# Altium PCB top_INA2180.PcbDoc (part 4 of 5) (continued)
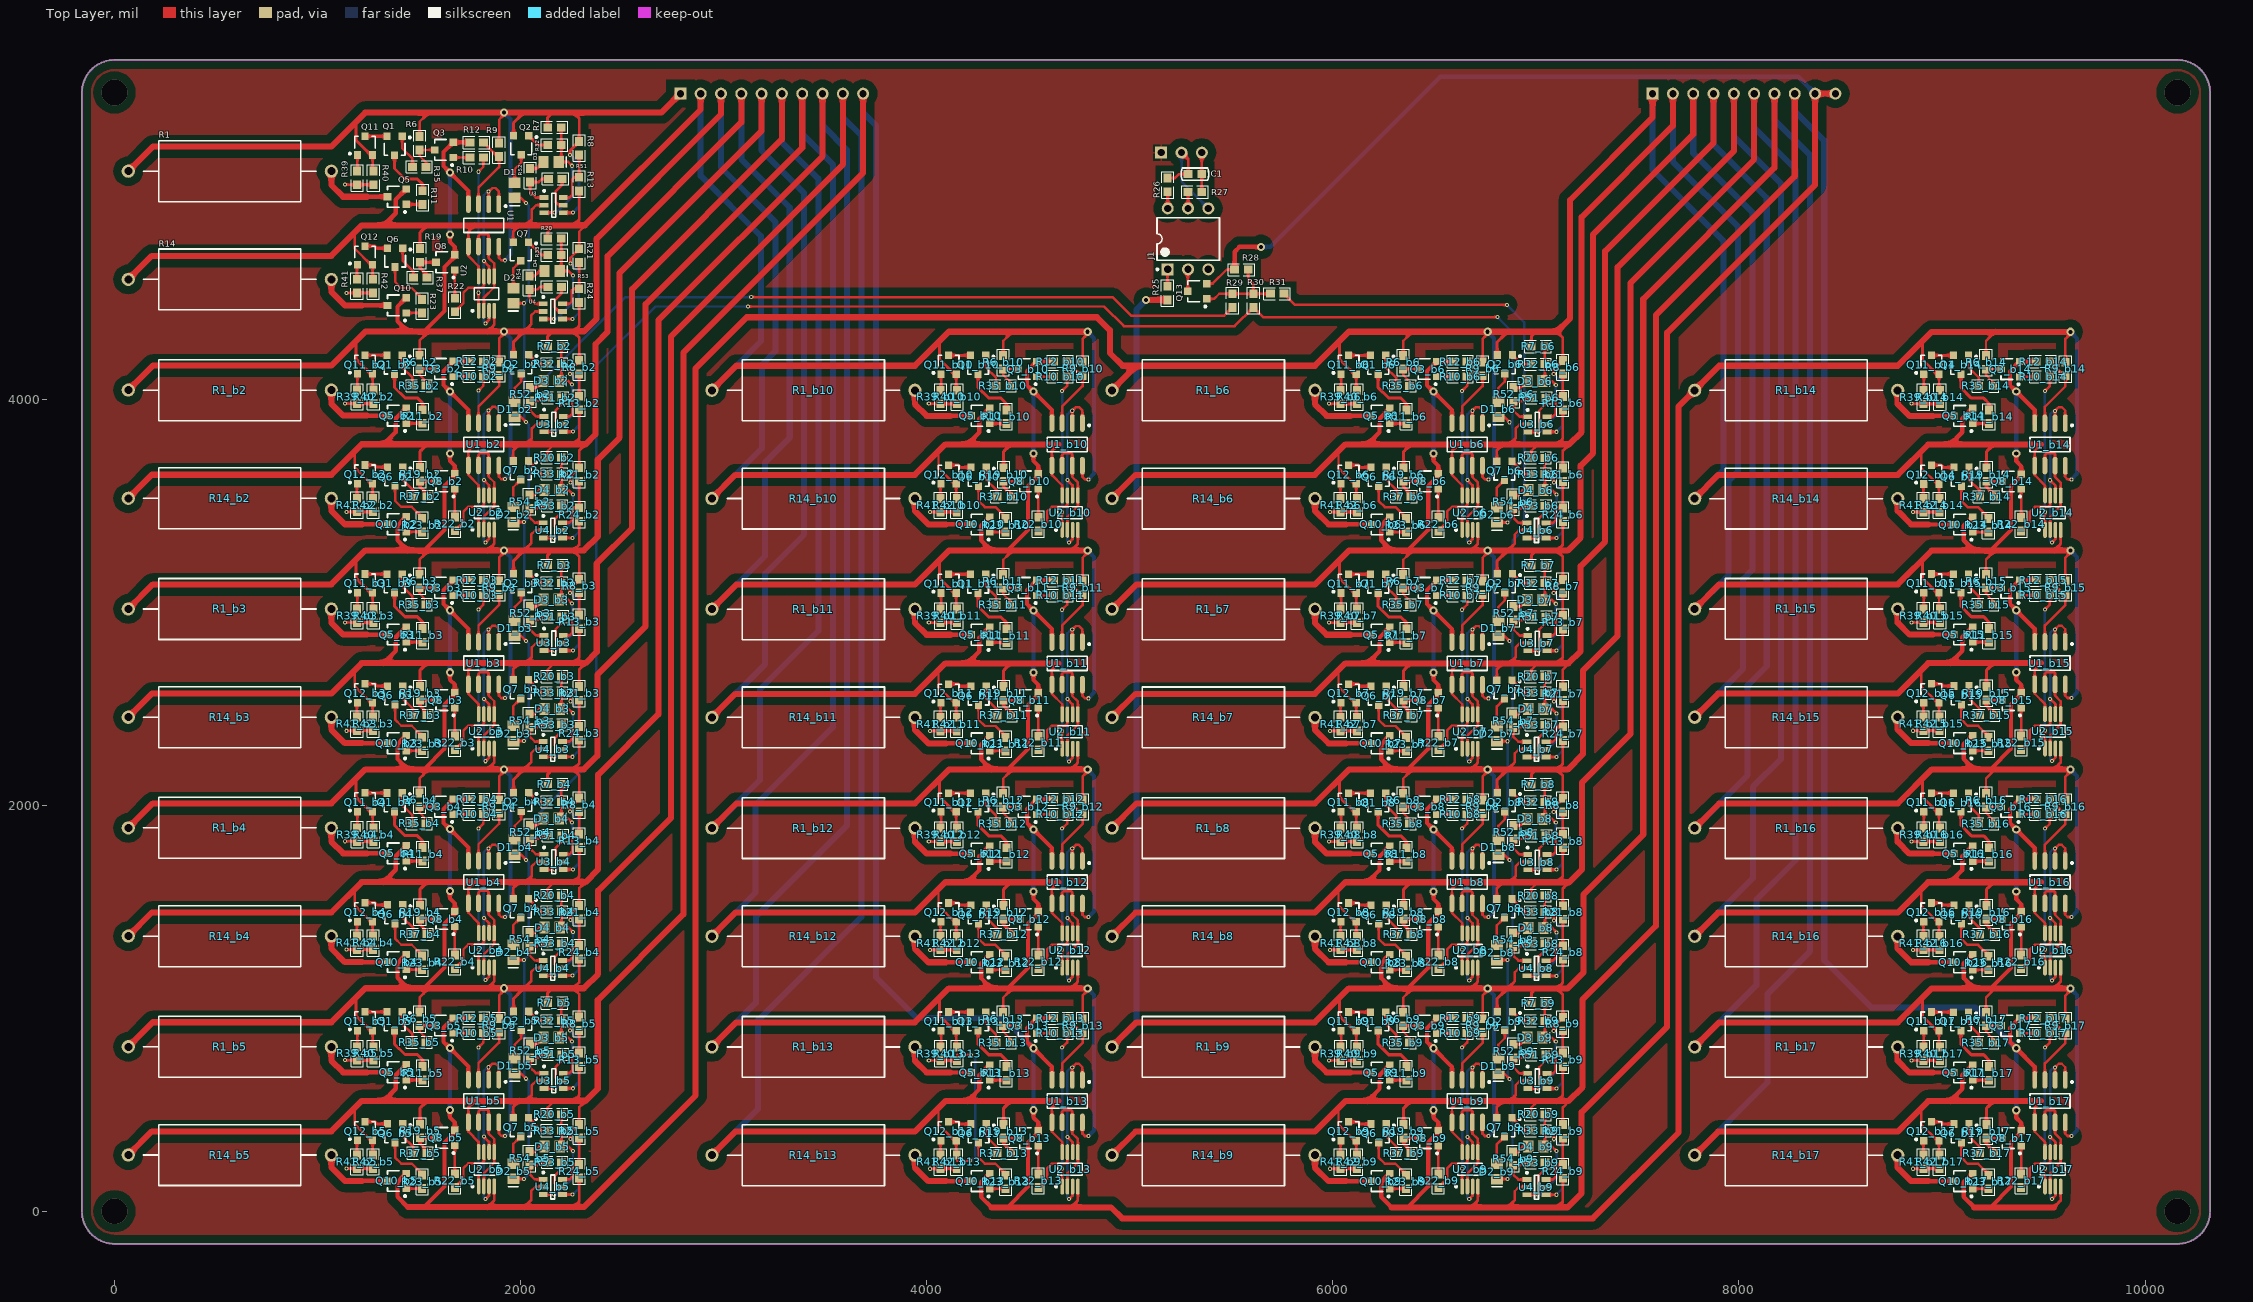
[diagram p0: Top Layer view]
## Nets (pads, with @x,y where several pads share a name; then routed paths per layer and width w, separated by ;. In a path a pad name is that pad's centre, name@x,y a point inside that pad or via, vN(x,y) a via of type N, cw(c..) or ccw(c..) an arc to the next point about the centre after c; other vN are vias at no path point) (continued)
NetQ3_b14_1: Q3_b14.1 R10_b14.1 | length 80.9
  Top Layer w12: Q3_b14.1@9382.98,4110.35 R10_b14.1@9463.86,4110.35
NetQ3_b14_3: Q3_b14.3 R6_b14.1 R35_b14.1 | length 169
  Top Layer w10: R35_b14.1@9248.32,4064.81 9248.32,4086.35 9217.26,4117.41 9217.26,4147.75 Q3_b14.3@9290.46,4147.75
NetQ3_b15_1: Q3_b15.1 R10_b15.1 | length 80.9
  Top Layer w12: Q3_b15.1@9382.98,3033.61 R10_b15.1@9463.86,3033.61
NetQ3_b15_3: Q3_b15.3 R6_b15.1 R35_b15.1 | length 169
  Top Layer w10: R35_b15.1@9248.32,2988.07 9248.32,3009.61 9217.26,3040.67 9217.26,3071.01 Q3_b15.3@9290.46,3071.01
NetQ3_b16_1: Q3_b16.1 R10_b16.1 | length 80.9
  Top Layer w12: Q3_b16.1@9382.98,1954.61 R10_b16.1@9463.86,1954.61
NetQ3_b16_3: Q3_b16.3 R6_b16.1 R35_b16.1 | length 169
  Top Layer w10: R35_b16.1@9248.32,1909.07 9248.32,1930.61 9217.26,1961.67 9217.26,1992.01 Q3_b16.3@9290.46,1992.01
NetQ3_b17_1: Q3_b17.1 R10_b17.1 | length 80.9
  Top Layer w12: Q3_b17.1@9382.98,876.61 R10_b17.1@9463.86,876.61
NetQ3_b17_3: Q3_b17.3 R6_b17.1 R35_b17.1 | length 169
  Top Layer w10: R35_b17.1@9248.32,831.07 9248.32,852.61 9217.26,883.67 9217.26,914.01 Q3_b17.3@9290.46,914.01
NetQ5_1: Q5.1 R11.1 | length 80.5
  Top Layer w15: Q5.1@1437.46,4958.87 R11.1@1517.99,4958.87
NetQ5_3: Q5.3 R1.1 | length 368.5
  Top Layer w22: 1242.72,4996.61 Q5.3@1344.6,4996.61
  Top Layer w30: R1.1@1067.99,5122.33 1067.99,5054.33 1125.72,4996.61 1242.72,4996.61
NetQ5_b2_1: Q5_b2.1 R11_b2.1 | length 80.5
  Top Layer w15: Q5_b2.1@1437.46,3880.8 R11_b2.1@1518,3880.8
NetQ5_b2_3: Q5_b2.3 R1_b2.1 | length 368.5
  Top Layer w22: 1242.72,3918.54 Q5_b2.3@1344.61,3918.53
  Top Layer w30: R1_b2.1@1068,4044.26 1068,3976.26 1125.72,3918.54 1242.72,3918.54
NetQ5_b3_1: Q5_b3.1 R11_b3.1 | length 80.5
  Top Layer w15: Q5_b3.1@1437.46,2802.8 R11_b3.1@1518,2802.8
NetQ5_b3_3: Q5_b3.3 R1_b3.1 | length 368.5
  Top Layer w22: 1242.72,2840.54 Q5_b3.3@1344.61,2840.54
  Top Layer w30: R1_b3.1@1068,2966.26 1068,2898.26 1125.72,2840.54 1242.72,2840.54
NetQ5_b4_1: Q5_b4.1 R11_b4.1 | length 80.5
  Top Layer w15: Q5_b4.1@1437.46,1724.8 R11_b4.1@1518,1724.8
NetQ5_b4_3: Q5_b4.3 R1_b4.1 | length 368.5
  Top Layer w22: 1242.72,1762.54 Q5_b4.3@1344.61,1762.54
  Top Layer w30: R1_b4.1@1068,1888.26 1068,1820.26 1125.72,1762.54 1242.72,1762.54
NetQ5_b5_1: Q5_b5.1 R11_b5.1 | length 80.5
  Top Layer w15: Q5_b5.1@1437.46,646.8 R11_b5.1@1518,646.8
NetQ5_b5_3: Q5_b5.3 R1_b5.1 | length 368.5
  Top Layer w22: 1242.72,684.54 Q5_b5.3@1344.61,684.54
  Top Layer w30: R1_b5.1@1068,810.26 1068,742.26 1125.72,684.54 1242.72,684.54
NetQ5_b6_1: Q5_b6.1 R11_b6.1 | length 80.5
  Top Layer w15: Q5_b6.1@6281.46,3879.87 R11_b6.1@6361.99,3879.87
NetQ5_b6_3: Q5_b6.3 R1_b6.1 | length 368.5
  Top Layer w22: 6086.72,3917.61 Q5_b6.3@6188.6,3917.61
  Top Layer w30: R1_b6.1@5911.99,4043.33 5911.99,3975.33 5969.72,3917.61 6086.72,3917.61
NetQ5_b7_1: Q5_b7.1 R11_b7.1 | length 80.5
  Top Layer w15: Q5_b7.1@6281.46,2801.87 R11_b7.1@6361.99,2801.87
NetQ5_b7_3: Q5_b7.3 R1_b7.1 | length 368.5
  Top Layer w22: 6086.72,2839.61 Q5_b7.3@6188.6,2839.61
  Top Layer w30: R1_b7.1@5911.99,2965.33 5911.99,2897.33 5969.72,2839.61 6086.72,2839.61
NetQ5_b8_1: Q5_b8.1 R11_b8.1 | length 80.5
  Top Layer w15: Q5_b8.1@6281.46,1723.87 R11_b8.1@6361.99,1723.87
NetQ5_b8_3: Q5_b8.3 R1_b8.1 | length 368.5
  Top Layer w22: 6086.72,1761.61 Q5_b8.3@6188.6,1761.61
  Top Layer w30: R1_b8.1@5911.99,1887.33 5911.99,1819.33 5969.72,1761.61 6086.72,1761.61
NetQ5_b9_1: Q5_b9.1 R11_b9.1 | length 80.5
  Top Layer w15: Q5_b9.1@6281.46,645.87 R11_b9.1@6361.99,645.87
NetQ5_b9_3: Q5_b9.3 R1_b9.1 | length 368.5
  Top Layer w22: 6086.72,683.61 Q5_b9.3@6188.6,683.61
  Top Layer w30: R1_b9.1@5911.99,809.33 5911.99,741.33 5969.72,683.61 6086.72,683.61
NetQ5_b10_1: Q5_b10.1 R11_b10.1 | length 80.5
  Top Layer w15: Q5_b10.1@4311.46,3879.87 R11_b10.1@4391.99,3879.87
NetQ5_b10_3: Q5_b10.3 R1_b10.1 | length 368.5
  Top Layer w22: 4116.72,3917.61 Q5_b10.3@4218.6,3917.61
  Top Layer w30: R1_b10.1@3941.99,4043.33 3941.99,3975.33 3999.72,3917.61 4116.72,3917.61
NetQ5_b11_1: Q5_b11.1 R11_b11.1 | length 80.5
  Top Layer w15: Q5_b11.1@4311.46,2801.87 R11_b11.1@4391.99,2801.87
NetQ5_b11_3: Q5_b11.3 R1_b11.1 | length 368.5
  Top Layer w22: 4116.72,2839.61 Q5_b11.3@4218.6,2839.61
  Top Layer w30: R1_b11.1@3941.99,2965.33 3941.99,2897.33 3999.72,2839.61 4116.72,2839.61
NetQ5_b12_1: Q5_b12.1 R11_b12.1 | length 80.5
  Top Layer w15: Q5_b12.1@4311.46,1723.87 R11_b12.1@4391.99,1723.87
NetQ5_b12_3: Q5_b12.3 R1_b12.1 | length 368.5
  Top Layer w22: 4116.72,1761.61 Q5_b12.3@4218.6,1761.61
  Top Layer w30: R1_b12.1@3941.99,1887.33 3941.99,1819.33 3999.72,1761.61 4116.72,1761.61
NetQ5_b13_1: Q5_b13.1 R11_b13.1 | length 80.5
  Top Layer w15: Q5_b13.1@4311.46,645.87 R11_b13.1@4391.99,645.87
NetQ5_b13_3: Q5_b13.3 R1_b13.1 | length 368.5
  Top Layer w22: 4116.72,683.61 Q5_b13.3@4218.6,683.61
  Top Layer w30: R1_b13.1@3941.99,809.33 3941.99,741.33 3999.72,683.61 4116.72,683.61
NetQ5_b14_1: Q5_b14.1 R11_b14.1 | length 80.5
  Top Layer w15: Q5_b14.1@9151.46,3879.61 R11_b14.1@9231.99,3879.61
NetQ5_b14_3: Q5_b14.3 R1_b14.1 | length 368.5
  Top Layer w22: 8956.72,3917.35 Q5_b14.3@9058.6,3917.35
  Top Layer w30: R1_b14.1@8781.99,4043.07 8781.99,3975.07 8839.72,3917.35 8956.72,3917.35
NetQ5_b15_1: Q5_b15.1 R11_b15.1 | length 80.5
  Top Layer w15: Q5_b15.1@9151.46,2802.87 R11_b15.1@9231.99,2802.87
NetQ5_b15_3: Q5_b15.3 R1_b15.1 | length 368.5
  Top Layer w22: 8956.72,2840.61 Q5_b15.3@9058.6,2840.61
  Top Layer w30: R1_b15.1@8781.99,2966.33 8781.99,2898.33 8839.72,2840.61 8956.72,2840.61
NetQ5_b16_1: Q5_b16.1 R11_b16.1 | length 80.5
  Top Layer w15: Q5_b16.1@9151.46,1723.87 R11_b16.1@9231.99,1723.87
NetQ5_b16_3: Q5_b16.3 R1_b16.1 | length 368.5
  Top Layer w22: 8956.72,1761.61 Q5_b16.3@9058.6,1761.61
  Top Layer w30: R1_b16.1@8781.99,1887.33 8781.99,1819.33 8839.72,1761.61 8956.72,1761.61
NetQ5_b17_1: Q5_b17.1 R11_b17.1 | length 80.5
  Top Layer w15: Q5_b17.1@9151.46,645.87 R11_b17.1@9231.99,645.87
NetQ5_b17_3: Q5_b17.3 R1_b17.1 | length 368.5
  Top Layer w22: 8956.72,683.61 Q5_b17.3@9058.6,683.61
  Top Layer w30: R1_b17.1@8781.99,809.33 8781.99,741.33 8839.72,683.61 8956.72,683.61
NetQ6_1: Q6.1 R37.2 | length 165.8
  Top Layer w12: Q6.1@1419.26,4742.87 1419.26,4681.67 1472.39,4628.54 R37.2@1472.39,4599.07
NetQ6_2: Q6.2 Q12.3 | length 114.9
  Top Layer w15: Q12.3@1233.99,4753.59 1281.73,4753.59 1292.46,4742.87 Q6.2@1344.46,4742.87
NetQ6_3: Q6.3 R23.2 | length 244.9
  Top Layer w12: Q6.3@1381.86,4650.35 1381.86,4577.61 1412.39,4547.07 1464.24,4547.07 1515.24,4496.07 R23.2@1515.24,4491.07
NetQ6_b2_1: Q6_b2.1 R37_b2.2 | length 165.8
  Top Layer w12: Q6_b2.1@1419.27,3664.8 1419.27,3603.6 1472.4,3550.46 R37_b2.2@1472.4,3521
NetQ6_b2_2: Q6_b2.2 Q12_b2.3 | length 114.9
  Top Layer w15: Q12_b2.3@1234,3675.52 1281.74,3675.52 1292.46,3664.8 Q6_b2.2@1344.46,3664.8
NetQ6_b2_3: Q6_b2.3 R23_b2.2 | length 244.9
  Top Layer w12: Q6_b2.3@1381.87,3572.28 1381.87,3499.54 1412.4,3469 1464.25,3469 1515.25,3418 R23_b2.2@1515.25,3413
NetQ6_b3_1: Q6_b3.1 R37_b3.2 | length 165.8
  Top Layer w12: Q6_b3.1@1419.27,2586.8 1419.27,2525.6 1472.4,2472.46 R37_b3.2@1472.4,2443
NetQ6_b3_2: Q6_b3.2 Q12_b3.3 | length 114.9
  Top Layer w15: Q12_b3.3@1234,2597.52 1281.74,2597.52 1292.46,2586.8 Q6_b3.2@1344.46,2586.8
NetQ6_b3_3: Q6_b3.3 R23_b3.2 | length 244.9
  Top Layer w12: Q6_b3.3@1381.87,2494.28 1381.87,2421.54 1412.4,2391 1464.25,2391 1515.25,2340 R23_b3.2@1515.25,2335
NetQ6_b4_1: Q6_b4.1 R37_b4.2 | length 165.8
  Top Layer w12: Q6_b4.1@1419.27,1508.8 1419.27,1447.6 1472.4,1394.46 R37_b4.2@1472.4,1365
NetQ6_b4_2: Q6_b4.2 Q12_b4.3 | length 114.9
  Top Layer w15: Q12_b4.3@1234,1519.52 1281.74,1519.52 1292.46,1508.8 Q6_b4.2@1344.46,1508.8
NetQ6_b4_3: Q6_b4.3 R23_b4.2 | length 244.9
  Top Layer w12: Q6_b4.3@1381.87,1416.28 1381.87,1343.54 1412.4,1313 1464.25,1313 1515.25,1262 R23_b4.2@1515.25,1257
NetQ6_b5_1: Q6_b5.1 R37_b5.2 | length 165.8
  Top Layer w12: Q6_b5.1@1419.27,430.8 1419.27,369.6 1472.4,316.46 R37_b5.2@1472.4,287
NetQ6_b5_2: Q6_b5.2 Q12_b5.3 | length 114.9
  Top Layer w15: Q12_b5.3@1234,441.52 1281.74,441.52 1292.46,430.8 Q6_b5.2@1344.46,430.8
NetQ6_b5_3: Q6_b5.3 R23_b5.2 | length 244.9
  Top Layer w12: Q6_b5.3@1381.87,338.28 1381.87,265.54 1412.4,235 1464.25,235 1515.25,184 R23_b5.2@1515.25,179
NetQ6_b6_1: Q6_b6.1 R37_b6.2 | length 165.8
  Top Layer w12: Q6_b6.1@6263.26,3663.87 6263.26,3602.67 6316.39,3549.54 R37_b6.2@6316.39,3520.07
NetQ6_b6_2: Q6_b6.2 Q12_b6.3 | length 114.9
  Top Layer w15: Q12_b6.3@6077.99,3674.59 6125.73,3674.59 6136.46,3663.87 Q6_b6.2@6188.46,3663.87
NetQ6_b6_3: Q6_b6.3 R23_b6.2 | length 244.9
  Top Layer w12: Q6_b6.3@6225.86,3571.35 6225.86,3498.61 6256.39,3468.07 6308.24,3468.07 6359.24,3417.07 R23_b6.2@6359.24,3412.07
NetQ6_b7_1: Q6_b7.1 R37_b7.2 | length 165.8
  Top Layer w12: Q6_b7.1@6263.26,2585.87 6263.26,2524.67 6316.39,2471.54 R37_b7.2@6316.39,2442.07
NetQ6_b7_2: Q6_b7.2 Q12_b7.3 | length 114.9
  Top Layer w15: Q12_b7.3@6077.99,2596.59 6125.73,2596.59 6136.46,2585.87 Q6_b7.2@6188.46,2585.87
NetQ6_b7_3: Q6_b7.3 R23_b7.2 | length 244.9
  Top Layer w12: Q6_b7.3@6225.86,2493.35 6225.86,2420.61 6256.39,2390.07 6308.24,2390.07 6359.24,2339.07 R23_b7.2@6359.24,2334.07
NetQ6_b8_1: Q6_b8.1 R37_b8.2 | length 165.8
  Top Layer w12: Q6_b8.1@6263.26,1507.87 6263.26,1446.67 6316.39,1393.54 R37_b8.2@6316.39,1364.07
NetQ6_b8_2: Q6_b8.2 Q12_b8.3 | length 114.9
  Top Layer w15: Q12_b8.3@6077.99,1518.59 6125.73,1518.59 6136.46,1507.87 Q6_b8.2@6188.46,1507.87
NetQ6_b8_3: Q6_b8.3 R23_b8.2 | length 244.9
  Top Layer w12: Q6_b8.3@6225.86,1415.35 6225.86,1342.61 6256.39,1312.07 6308.24,1312.07 6359.24,1261.07 R23_b8.2@6359.24,1256.07
NetQ6_b9_1: Q6_b9.1 R37_b9.2 | length 165.8
  Top Layer w12: Q6_b9.1@6263.26,429.87 6263.26,368.67 6316.39,315.54 R37_b9.2@6316.39,286.07
NetQ6_b9_2: Q6_b9.2 Q12_b9.3 | length 114.9
  Top Layer w15: Q12_b9.3@6077.99,440.59 6125.73,440.59 6136.46,429.87 Q6_b9.2@6188.46,429.87
NetQ6_b9_3: Q6_b9.3 R23_b9.2 | length 244.9
  Top Layer w12: Q6_b9.3@6225.86,337.35 6225.86,264.61 6256.39,234.07 6308.24,234.07 6359.24,183.07 R23_b9.2@6359.24,178.07
NetQ6_b10_1: Q6_b10.1 R37_b10.2 | length 165.8
  Top Layer w12: Q6_b10.1@4293.26,3663.87 4293.26,3602.67 4346.39,3549.54 R37_b10.2@4346.39,3520.07
NetQ6_b10_2: Q6_b10.2 Q12_b10.3 | length 114.9
  Top Layer w15: Q12_b10.3@4107.99,3674.59 4155.73,3674.59 4166.46,3663.87 Q6_b10.2@4218.46,3663.87
NetQ6_b10_3: Q6_b10.3 R23_b10.2 | length 244.9
  Top Layer w12: Q6_b10.3@4255.86,3571.35 4255.86,3498.61 4286.39,3468.07 4338.24,3468.07 4389.24,3417.07 R23_b10.2@4389.24,3412.07
NetQ6_b11_1: Q6_b11.1 R37_b11.2 | length 165.8
  Top Layer w12: Q6_b11.1@4293.26,2585.87 4293.26,2524.67 4346.39,2471.54 R37_b11.2@4346.39,2442.07
NetQ6_b11_2: Q6_b11.2 Q12_b11.3 | length 114.9
  Top Layer w15: Q12_b11.3@4107.99,2596.59 4155.73,2596.59 4166.46,2585.87 Q6_b11.2@4218.46,2585.87
NetQ6_b11_3: Q6_b11.3 R23_b11.2 | length 244.9
  Top Layer w12: Q6_b11.3@4255.86,2493.35 4255.86,2420.61 4286.39,2390.07 4338.24,2390.07 4389.24,2339.07 R23_b11.2@4389.24,2334.07
NetQ6_b12_1: Q6_b12.1 R37_b12.2 | length 165.8
  Top Layer w12: Q6_b12.1@4293.26,1507.87 4293.26,1446.67 4346.39,1393.54 R37_b12.2@4346.39,1364.07
NetQ6_b12_2: Q6_b12.2 Q12_b12.3 | length 114.9
  Top Layer w15: Q12_b12.3@4107.99,1518.59 4155.73,1518.59 4166.46,1507.87 Q6_b12.2@4218.46,1507.87
NetQ6_b12_3: Q6_b12.3 R23_b12.2 | length 244.9
  Top Layer w12: Q6_b12.3@4255.86,1415.35 4255.86,1342.61 4286.39,1312.07 4338.24,1312.07 4389.24,1261.07 R23_b12.2@4389.24,1256.07
NetQ6_b13_1: Q6_b13.1 R37_b13.2 | length 165.8
  Top Layer w12: Q6_b13.1@4293.26,429.87 4293.26,368.67 4346.39,315.54 R37_b13.2@4346.39,286.07
NetQ6_b13_2: Q6_b13.2 Q12_b13.3 | length 114.9
  Top Layer w15: Q12_b13.3@4107.99,440.59 4155.73,440.59 4166.46,429.87 Q6_b13.2@4218.46,429.87
NetQ6_b13_3: Q6_b13.3 R23_b13.2 | length 244.9
  Top Layer w12: Q6_b13.3@4255.86,337.35 4255.86,264.61 4286.39,234.07 4338.24,234.07 4389.24,183.07 R23_b13.2@4389.24,178.07
NetQ6_b14_1: Q6_b14.1 R37_b14.2 | length 165.8
  Top Layer w12: Q6_b14.1@9133.26,3663.61 9133.26,3602.41 9186.39,3549.28 R37_b14.2@9186.39,3519.81
NetQ6_b14_2: Q6_b14.2 Q12_b14.3 | length 114.9
  Top Layer w15: Q12_b14.3@8947.99,3674.33 8995.73,3674.33 9006.46,3663.61 Q6_b14.2@9058.46,3663.61
NetQ6_b14_3: Q6_b14.3 R23_b14.2 | length 244.9
  Top Layer w12: Q6_b14.3@9095.86,3571.09 9095.86,3498.35 9126.39,3467.81 9178.24,3467.81 9229.24,3416.81 R23_b14.2@9229.24,3411.81
NetQ6_b15_1: Q6_b15.1 R37_b15.2 | length 165.8
  Top Layer w12: Q6_b15.1@9133.26,2586.87 9133.26,2525.67 9186.39,2472.54 R37_b15.2@9186.39,2443.07
NetQ6_b15_2: Q6_b15.2 Q12_b15.3 | length 114.9
  Top Layer w15: Q12_b15.3@8947.99,2597.59 8995.73,2597.59 9006.46,2586.87 Q6_b15.2@9058.46,2586.87
NetQ6_b15_3: Q6_b15.3 R23_b15.2 | length 244.9
  Top Layer w12: Q6_b15.3@9095.86,2494.35 9095.86,2421.61 9126.39,2391.07 9178.24,2391.07 9229.24,2340.07 R23_b15.2@9229.24,2335.07
NetQ6_b16_1: Q6_b16.1 R37_b16.2 | length 165.8
  Top Layer w12: Q6_b16.1@9133.26,1507.87 9133.26,1446.67 9186.39,1393.54 R37_b16.2@9186.39,1364.07
NetQ6_b16_2: Q6_b16.2 Q12_b16.3 | length 114.9
  Top Layer w15: Q12_b16.3@8947.99,1518.59 8995.73,1518.59 9006.46,1507.87 Q6_b16.2@9058.46,1507.87
NetQ6_b16_3: Q6_b16.3 R23_b16.2 | length 244.9
  Top Layer w12: Q6_b16.3@9095.86,1415.35 9095.86,1342.61 9126.39,1312.07 9178.24,1312.07 9229.24,1261.07 R23_b16.2@9229.24,1256.07
NetQ6_b17_1: Q6_b17.1 R37_b17.2 | length 165.8
  Top Layer w12: Q6_b17.1@9133.26,429.87 9133.26,368.67 9186.39,315.54 R37_b17.2@9186.39,286.07
NetQ6_b17_2: Q6_b17.2 Q12_b17.3 | length 114.9
  Top Layer w15: Q12_b17.3@8947.99,440.59 8995.73,440.59 9006.46,429.87 Q6_b17.2@9058.46,429.87
NetQ6_b17_3: Q6_b17.3 R23_b17.2 | length 244.9
  Top Layer w12: Q6_b17.3@9095.86,337.35 9095.86,264.61 9126.39,234.07 9178.24,234.07 9229.24,183.07 R23_b17.2@9229.24,178.07
NetQ7_1: Q7.1 R33.2 | length 121.3
  Top Layer w12: Q7.1@2038.4,4773.26 2101.66,4710 R33.2@2133.54,4710
NetQ7_b2_1: Q7_b2.1 R33_b2.2 | length 121.3
  Top Layer w12: Q7_b2.1@2038.41,3695.19 2101.67,3631.93 R33_b2.2@2133.54,3631.93
NetQ7_b3_1: Q7_b3.1 R33_b3.2 | length 121.3
  Top Layer w12: Q7_b3.1@2038.41,2617.19 2101.67,2553.93 R33_b3.2@2133.54,2553.93
NetQ7_b4_1: Q7_b4.1 R33_b4.2 | length 121.3
  Top Layer w12: Q7_b4.1@2038.41,1539.19 2101.67,1475.93 R33_b4.2@2133.54,1475.93
NetQ7_b5_1: Q7_b5.1 R33_b5.2 | length 121.3
  Top Layer w12: Q7_b5.1@2038.41,461.19 2101.67,397.93 R33_b5.2@2133.54,397.93
NetQ7_b6_1: Q7_b6.1 R33_b6.2 | length 121.3
  Top Layer w12: Q7_b6.1@6882.4,3694.26 6945.66,3631 R33_b6.2@6977.54,3631
NetQ7_b7_1: Q7_b7.1 R33_b7.2 | length 121.3
  Top Layer w12: Q7_b7.1@6882.4,2616.26 6945.66,2553 R33_b7.2@6977.54,2553
NetQ7_b8_1: Q7_b8.1 R33_b8.2 | length 121.3
  Top Layer w12: Q7_b8.1@6882.4,1538.26 6945.66,1475 R33_b8.2@6977.54,1475
NetQ7_b9_1: Q7_b9.1 R33_b9.2 | length 121.3
  Top Layer w12: Q7_b9.1@6882.4,460.26 6945.66,397 R33_b9.2@6977.54,397
NetQ7_b10_1: 
NetQ7_b11_1: 
NetQ7_b12_1: 
NetQ7_b13_1: 
NetQ7_b14_1: 
NetQ7_b15_1: 
NetQ7_b16_1: 
NetQ7_b17_1: 
NetQ8_1: Q8.1 R22.2 | length 139.2
  Top Layer w12: R22.2@1675.86,4497.07 1676.12,4497.33 Q8.1@1676.12,4636.21
NetQ8_3: Q8.3 R19.1 R37.1 | length 168.3
  Top Layer w15: R37.1@1539.32,4599.07 1539.32,4611.61 1504.86,4646.07 R19.1@1504.86,4674.14 1505.39,4673.61 Q8.3@1583.6,4673.61
NetQ8_b2_1: Q8_b2.1 R22_b2.2 | length 139.2
  Top Layer w12: R22_b2.2@1675.87,3419 1676.13,3419.26 Q8_b2.1@1676.13,3558.13
NetQ8_b2_3: Q8_b2.3 R19_b2.1 R37_b2.1 | length 168.3
  Top Layer w15: R37_b2.1@1539.33,3521 1539.33,3533.54 1504.87,3568 R19_b2.1@1504.87,3596.07 1505.4,3595.54 Q8_b2.3@1583.61,3595.53
NetQ8_b3_1: Q8_b3.1 R22_b3.2 | length 139.2
  Top Layer w12: R22_b3.2@1675.87,2341 1676.13,2341.26 Q8_b3.1@1676.13,2480.13
NetQ8_b3_3: Q8_b3.3 R19_b3.1 R37_b3.1 | length 168.3
  Top Layer w15: R37_b3.1@1539.33,2443 1539.33,2455.54 1504.87,2490 R19_b3.1@1504.87,2518.07 1505.4,2517.54 Q8_b3.3@1583.61,2517.54
NetQ8_b4_1: Q8_b4.1 R22_b4.2 | length 139.2
  Top Layer w12: R22_b4.2@1675.87,1263 1676.13,1263.26 Q8_b4.1@1676.13,1402.13
NetQ8_b4_3: Q8_b4.3 R19_b4.1 R37_b4.1 | length 168.3
  Top Layer w15: R37_b4.1@1539.33,1365 1539.33,1377.54 1504.87,1412 R19_b4.1@1504.87,1440.07 1505.4,1439.54 Q8_b4.3@1583.61,1439.54
NetQ8_b5_1: Q8_b5.1 R22_b5.2 | length 139.2
  Top Layer w12: R22_b5.2@1675.87,185 1676.13,185.26 Q8_b5.1@1676.13,324.13
NetQ8_b5_3: Q8_b5.3 R19_b5.1 R37_b5.1 | length 168.3
  Top Layer w15: R37_b5.1@1539.33,287 1539.33,299.54 1504.87,334 R19_b5.1@1504.87,362.07 1505.4,361.54 Q8_b5.3@1583.61,361.54
NetQ8_b6_1: Q8_b6.1 R22_b6.2 | length 139.2
  Top Layer w12: R22_b6.2@6519.86,3418.07 6520.12,3418.33 Q8_b6.1@6520.12,3557.21
NetQ8_b6_3: Q8_b6.3 R19_b6.1 R37_b6.1 | length 168.3
  Top Layer w15: R37_b6.1@6383.32,3520.07 6383.32,3532.61 6348.86,3567.07 R19_b6.1@6348.86,3595.14 6349.39,3594.61 Q8_b6.3@6427.6,3594.61
NetQ8_b7_1: Q8_b7.1 R22_b7.2 | length 139.2
  Top Layer w12: R22_b7.2@6519.86,2340.07 6520.12,2340.33 Q8_b7.1@6520.12,2479.21
NetQ8_b7_3: Q8_b7.3 R19_b7.1 R37_b7.1 | length 168.3
  Top Layer w15: R37_b7.1@6383.32,2442.07 6383.32,2454.61 6348.86,2489.07 R19_b7.1@6348.86,2517.14 6349.39,2516.61 Q8_b7.3@6427.6,2516.61
NetQ8_b8_1: Q8_b8.1 R22_b8.2 | length 139.2
  Top Layer w12: R22_b8.2@6519.86,1262.07 6520.12,1262.33 Q8_b8.1@6520.12,1401.21
NetQ8_b8_3: Q8_b8.3 R19_b8.1 R37_b8.1 | length 168.3
  Top Layer w15: R37_b8.1@6383.32,1364.07 6383.32,1376.61 6348.86,1411.07 R19_b8.1@6348.86,1439.14 6349.39,1438.61 Q8_b8.3@6427.6,1438.61
NetQ8_b9_1: Q8_b9.1 R22_b9.2 | length 139.2
  Top Layer w12: R22_b9.2@6519.86,184.07 6520.12,184.33 Q8_b9.1@6520.12,323.21
NetQ8_b9_3: Q8_b9.3 R19_b9.1 R37_b9.1 | length 168.3
  Top Layer w15: R37_b9.1@6383.32,286.07 6383.32,298.61 6348.86,333.07 R19_b9.1@6348.86,361.14 6349.39,360.61 Q8_b9.3@6427.6,360.61
NetQ8_b10_1: Q8_b10.1 R22_b10.2 | length 139.2
  Top Layer w12: R22_b10.2@4549.86,3418.07 4550.12,3418.33 Q8_b10.1@4550.12,3557.21
NetQ8_b10_3: Q8_b10.3 R19_b10.1 R37_b10.1 | length 168.3
  Top Layer w15: R37_b10.1@4413.32,3520.07 4413.32,3532.61 4378.86,3567.07 R19_b10.1@4378.86,3595.14 4379.39,3594.61 Q8_b10.3@4457.6,3594.61
NetQ8_b11_1: Q8_b11.1 R22_b11.2 | length 139.2
  Top Layer w12: R22_b11.2@4549.86,2340.07 4550.12,2340.33 Q8_b11.1@4550.12,2479.21
NetQ8_b11_3: Q8_b11.3 R19_b11.1 R37_b11.1 | length 168.3
  Top Layer w15: R37_b11.1@4413.32,2442.07 4413.32,2454.61 4378.86,2489.07 R19_b11.1@4378.86,2517.14 4379.39,2516.61 Q8_b11.3@4457.6,2516.61
NetQ8_b12_1: Q8_b12.1 R22_b12.2 | length 139.2
  Top Layer w12: R22_b12.2@4549.86,1262.07 4550.12,1262.33 Q8_b12.1@4550.12,1401.21
NetQ8_b12_3: Q8_b12.3 R19_b12.1 R37_b12.1 | length 168.3
  Top Layer w15: R37_b12.1@4413.32,1364.07 4413.32,1376.61 4378.86,1411.07 R19_b12.1@4378.86,1439.14 4379.39,1438.61 Q8_b12.3@4457.6,1438.61
NetQ8_b13_1: Q8_b13.1 R22_b13.2 | length 139.2
  Top Layer w12: R22_b13.2@4549.86,184.07 4550.12,184.33 Q8_b13.1@4550.12,323.21
NetQ8_b13_3: Q8_b13.3 R19_b13.1 R37_b13.1 | length 168.3
  Top Layer w15: R37_b13.1@4413.32,286.07 4413.32,298.61 4378.86,333.07 R19_b13.1@4378.86,361.14 4379.39,360.61 Q8_b13.3@4457.6,360.61
NetQ8_b14_1: Q8_b14.1 R22_b14.2 | length 139.2
  Top Layer w12: R22_b14.2@9389.86,3417.81 9390.12,3418.07 Q8_b14.1@9390.12,3556.95
NetQ8_b14_3: Q8_b14.3 R19_b14.1 R37_b14.1 | length 168.3
  Top Layer w15: R37_b14.1@9253.32,3519.81 9253.32,3532.35 9218.86,3566.81 R19_b14.1@9218.86,3594.88 9219.39,3594.35 Q8_b14.3@9297.6,3594.35
NetQ8_b15_1: Q8_b15.1 R22_b15.2 | length 139.2
  Top Layer w12: R22_b15.2@9389.86,2341.07 9390.12,2341.33 Q8_b15.1@9390.12,2480.21
NetQ8_b15_3: Q8_b15.3 R19_b15.1 R37_b15.1 | length 168.3
  Top Layer w15: R37_b15.1@9253.32,2443.07 9253.32,2455.61 9218.86,2490.07 R19_b15.1@9218.86,2518.14 9219.39,2517.61 Q8_b15.3@9297.6,2517.61
NetQ8_b16_1: Q8_b16.1 R22_b16.2 | length 139.2
  Top Layer w12: R22_b16.2@9389.86,1262.07 9390.12,1262.33 Q8_b16.1@9390.12,1401.21
NetQ8_b16_3: Q8_b16.3 R19_b16.1 R37_b16.1 | length 168.3
  Top Layer w15: R37_b16.1@9253.32,1364.07 9253.32,1376.61 9218.86,1411.07 R19_b16.1@9218.86,1439.14 9219.39,1438.61 Q8_b16.3@9297.6,1438.61
NetQ8_b17_1: Q8_b17.1 R22_b17.2 | length 139.2
  Top Layer w12: R22_b17.2@9389.86,184.07 9390.12,184.33 Q8_b17.1@9390.12,323.21
NetQ8_b17_3: Q8_b17.3 R19_b17.1 R37_b17.1 | length 168.3
  Top Layer w15: R37_b17.1@9253.32,286.07 9253.32,298.61 9218.86,333.07 R19_b17.1@9218.86,361.14 9219.39,360.61 Q8_b17.3@9297.6,360.61
NetQ10_1: Q10.1 R23.1 | length 78.1
  Top Layer w12: Q10.1@1437.12,4424.21 R23.1@1515.18,4424.21
NetQ10_3: Q10.3 R14.1 | length 365.2
  Top Layer w22: 1219.86,4461.61 Q10.3@1344.6,4461.61
  Top Layer w30: R14.1@1067.99,4589.33 1067.99,4528.33 1134.72,4461.61 1219.86,4461.61
NetQ10_b2_1: Q10_b2.1 R23_b2.1 | length 78.1
  Top Layer w12: Q10_b2.1@1437.13,3346.13 R23_b2.1@1515.19,3346.13
NetQ10_b2_3: Q10_b2.3 R14_b2.1 | length 365.2
  Top Layer w22: 1219.87,3383.54 Q10_b2.3@1344.61,3383.53
  Top Layer w30: R14_b2.1@1068,3511.26 1068,3450.26 1134.72,3383.54 1219.87,3383.54
NetQ10_b3_1: Q10_b3.1 R23_b3.1 | length 78.1
  Top Layer w12: Q10_b3.1@1437.13,2268.13 R23_b3.1@1515.19,2268.13
NetQ10_b3_3: Q10_b3.3 R14_b3.1 | length 365.2
  Top Layer w22: 1219.87,2305.54 Q10_b3.3@1344.61,2305.54
  Top Layer w30: R14_b3.1@1068,2433.26 1068,2372.26 1134.72,2305.54 1219.87,2305.54
NetQ10_b4_1: Q10_b4.1 R23_b4.1 | length 78.1
  Top Layer w12: Q10_b4.1@1437.13,1190.13 R23_b4.1@1515.19,1190.13
NetQ10_b4_3: Q10_b4.3 R14_b4.1 | length 365.2
  Top Layer w22: 1219.87,1227.54 Q10_b4.3@1344.61,1227.54
  Top Layer w30: R14_b4.1@1068,1355.26 1068,1294.26 1134.72,1227.54 1219.87,1227.54
NetQ10_b5_1: Q10_b5.1 R23_b5.1 | length 78.1
  Top Layer w12: Q10_b5.1@1437.13,112.13 R23_b5.1@1515.19,112.13
NetQ10_b5_3: Q10_b5.3 R14_b5.1 | length 365.2
  Top Layer w22: 1219.87,149.54 Q10_b5.3@1344.61,149.54
  Top Layer w30: R14_b5.1@1068,277.26 1068,216.26 1134.72,149.54 1219.87,149.54
NetQ10_b6_1: Q10_b6.1 R23_b6.1 | length 78.1
  Top Layer w12: Q10_b6.1@6281.12,3345.21 R23_b6.1@6359.18,3345.21
NetQ10_b6_3: Q10_b6.3 R14_b6.1 | length 365.2
  Top Layer w22: 6063.86,3382.61 Q10_b6.3@6188.6,3382.61
  Top Layer w30: R14_b6.1@5911.99,3510.33 5911.99,3449.33 5978.72,3382.61 6063.86,3382.61
NetQ10_b7_1: Q10_b7.1 R23_b7.1 | length 78.1
  Top Layer w12: Q10_b7.1@6281.12,2267.21 R23_b7.1@6359.18,2267.21
NetQ10_b7_3: Q10_b7.3 R14_b7.1 | length 365.2
  Top Layer w22: 6063.86,2304.61 Q10_b7.3@6188.6,2304.61
  Top Layer w30: R14_b7.1@5911.99,2432.33 5911.99,2371.33 5978.72,2304.61 6063.86,2304.61
NetQ10_b8_1: Q10_b8.1 R23_b8.1 | length 78.1
  Top Layer w12: Q10_b8.1@6281.12,1189.21 R23_b8.1@6359.18,1189.21
NetQ10_b8_3: Q10_b8.3 R14_b8.1 | length 365.2
  Top Layer w22: 6063.86,1226.61 Q10_b8.3@6188.6,1226.61
  Top Layer w30: R14_b8.1@5911.99,1354.33 5911.99,1293.33 5978.72,1226.61 6063.86,1226.61
NetQ10_b9_1: Q10_b9.1 R23_b9.1 | length 78.1
  Top Layer w12: Q10_b9.1@6281.12,111.21 R23_b9.1@6359.18,111.21
NetQ10_b9_3: Q10_b9.3 R14_b9.1 | length 365.2
  Top Layer w22: 6063.86,148.61 Q10_b9.3@6188.6,148.61
  Top Layer w30: R14_b9.1@5911.99,276.33 5911.99,215.33 5978.72,148.61 6063.86,148.61
NetQ10_b10_1: Q10_b10.1 R23_b10.1 | length 78.1
  Top Layer w12: Q10_b10.1@4311.12,3345.21 R23_b10.1@4389.18,3345.21
NetQ10_b10_3: Q10_b10.3 R14_b10.1 | length 365.2
  Top Layer w22: 4093.86,3382.61 Q10_b10.3@4218.6,3382.61
  Top Layer w30: R14_b10.1@3941.99,3510.33 3941.99,3449.33 4008.72,3382.61 4093.86,3382.61
NetQ10_b11_1: Q10_b11.1 R23_b11.1 | length 78.1
  Top Layer w12: Q10_b11.1@4311.12,2267.21 R23_b11.1@4389.18,2267.21
NetQ10_b11_3: Q10_b11.3 R14_b11.1 | length 365.2
  Top Layer w22: 4093.86,2304.61 Q10_b11.3@4218.6,2304.61
  Top Layer w30: R14_b11.1@3941.99,2432.33 3941.99,2371.33 4008.72,2304.61 4093.86,2304.61
NetQ10_b12_1: Q10_b12.1 R23_b12.1 | length 78.1
  Top Layer w12: Q10_b12.1@4311.12,1189.21 R23_b12.1@4389.18,1189.21
NetQ10_b12_3: Q10_b12.3 R14_b12.1 | length 365.2
  Top Layer w22: 4093.86,1226.61 Q10_b12.3@4218.6,1226.61
  Top Layer w30: R14_b12.1@3941.99,1354.33 3941.99,1293.33 4008.72,1226.61 4093.86,1226.61
NetQ10_b13_1: Q10_b13.1 R23_b13.1 | length 78.1
  Top Layer w12: Q10_b13.1@4311.12,111.21 R23_b13.1@4389.18,111.21
NetQ10_b13_3: Q10_b13.3 R14_b13.1 | length 365.2
  Top Layer w22: 4093.86,148.61 Q10_b13.3@4218.6,148.61
  Top Layer w30: R14_b13.1@3941.99,276.33 3941.99,215.33 4008.72,148.61 4093.86,148.61
NetQ10_b14_1: Q10_b14.1 R23_b14.1 | length 78.1
  Top Layer w12: Q10_b14.1@9151.12,3344.95 R23_b14.1@9229.18,3344.95